# KiCad board PDNode_Baseboard.kicad_pcb (continued)
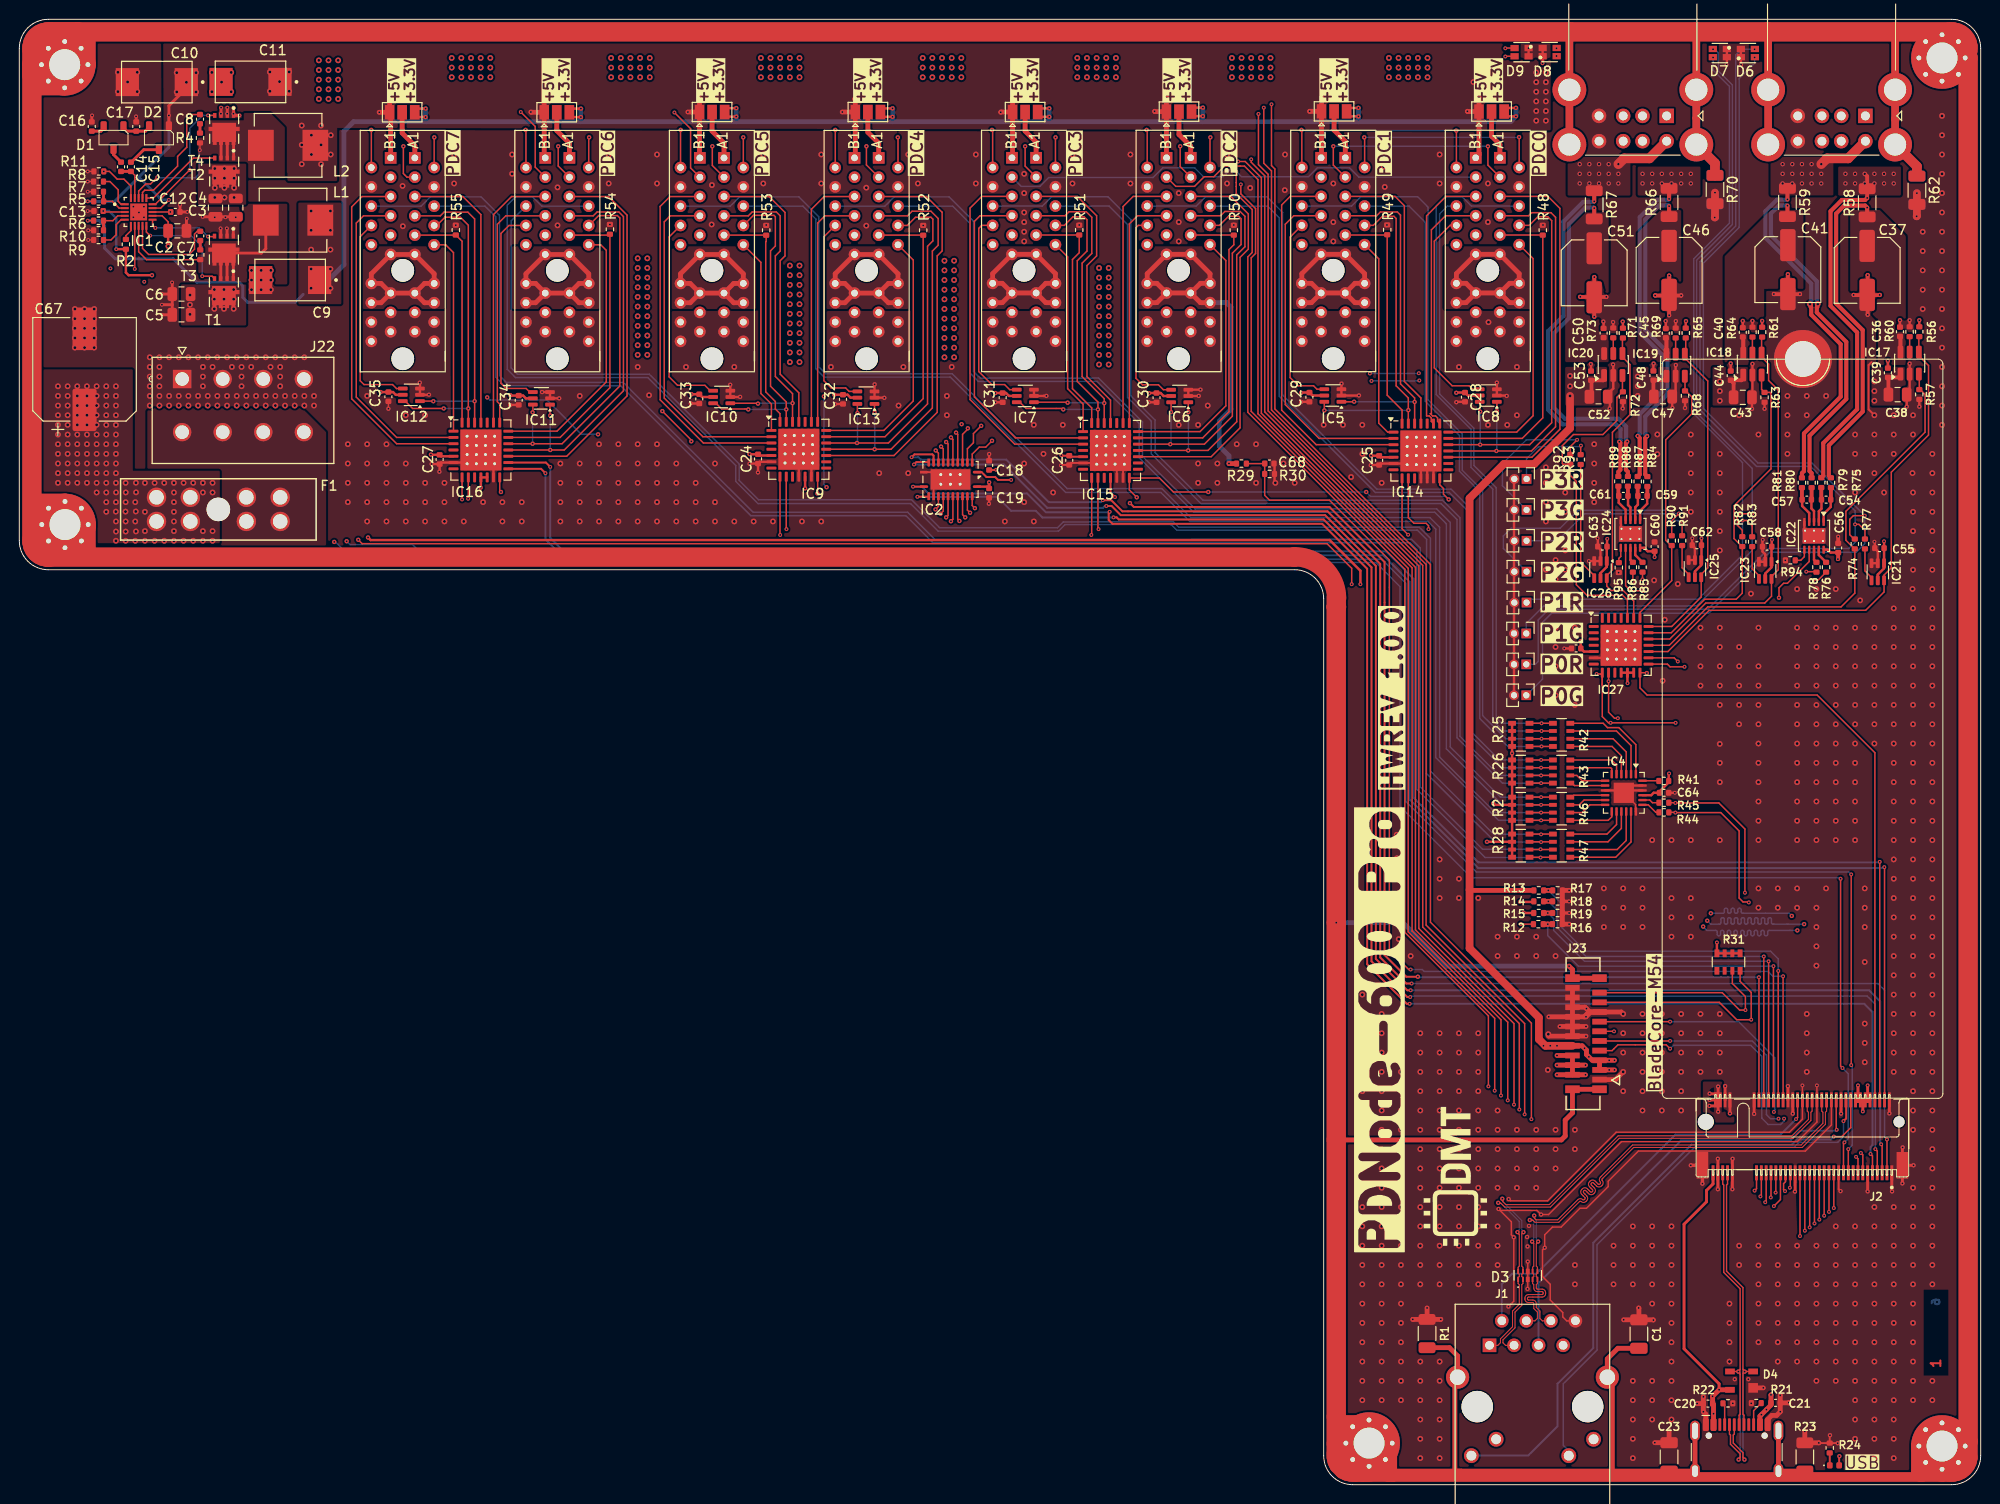
[diagram p0: board, top side]
## Routing (per net, layer and track width the routed paths; a pad name or vN(x,y) marks a point on that pad's centre or on a via; arc(x,y) is an arc through that point) (continued)
Net-(D9-A1): length 61.2
  F.Cu (SIG) w0.149: v3(153.8,148.75) 153.82,148.77 D9.4 ; v3(161.23,108.2) 160.52,107.5 R92.2
  In2.Cu (SIG) w0.149: v3(161.23,108.2) 161.23,108.47 158.65,111.05 158.65,133.55 156.5,135.7 156.5,139.55 155.25,140.8 154.85,140.8 154.28,141.37 154.28,148.27 v3(153.8,148.75)
  B.Cu (SIG) w0.149: v3(161.23,108.2) 155.98,108.2 153.5,105.72 153.5,103.45 J20.1
Net-(D9-A2): length 54.3
  F.Cu (SIG) w0.149: R93.2 161.6,107.58 v3(161.62,107.6) ; v3(153.8,147.9) 153.82,147.92 D9.3
  In2.Cu (SIG) w0.149: v3(153.8,147.9) 153.8,141.4 154.75,140.45 155.1,140.45 156.2,139.35 156.2,135.55 158.3,133.45 158.3,110.95 160.55,108.7 160.55,108.1 161.05,107.6 v3(161.62,107.6)
  B.Cu (SIG) w0.149: J21.1 156,106.25 157.25,107.5 161.52,107.5 v3(161.62,107.6)
Net-(IC1-VBST1): length 12.1
  F.Cu (SIG) w0.15: IC1.17 12.75,133.82 12.98,134.05 13.88,134.05 16.38,136.55 16.38,137.55 17.33,138.5 17.33,141.3 17.92,141.89 C8.1
Net-(IC1-VBST2): length 10.5
  F.Cu (SIG) w0.149: IC1.9 12.75,128.03 13.38,127.4 17.58,127.4 18.13,127.95 18.13,129.51 18.42,129.8 C7.1
Net-(IC4-SCL0): length 9.9
  F.Cu (SIG) w0.149: R42.7 165.3,78.05 166.81,76.54 IC4.2
Net-(IC4-SCL1): length 7.6
  F.Cu (SIG) w0.149: IC4.4 165.81,75.49 164.85,76.45 R42.5
Net-(IC4-SCL2): length 4.9
  F.Cu (SIG) w0.149: R43.7 164.7,74.25 164.81,74.14 IC4.6
Net-(IC4-SCL3): length 3.7
  F.Cu (SIG) w0.149: IC4.8 160.95,72.4 160.7,72.65 R43.5
Net-(IC4-SCL4): length 3.8
  F.Cu (SIG) w0.149: R46.7 161.45,70.4 161.95,70.9 IC4.11
Net-(IC4-SCL5): length 5
  F.Cu (SIG) w0.149: IC4.13 164.81,69.16 164.45,68.8 R46.5
Net-(IC4-SCL6): length 7.6
  F.Cu (SIG) w0.149: IC4.15 165.81,67.96 164.43,66.58 R47.7
Net-(IC4-SCL7): length 10.1
  F.Cu (SIG) w0.149: R47.5 165.23,64.97 166.81,66.56 IC4.17
Net-(IC4-SDA0): length 10.8
  F.Cu (SIG) w0.149: IC4.1 167.31,76.64 165.55,78.4 164.38,78.4 163.93,78.85 R42.8
Net-(IC4-SDA1): length 8.7
  F.Cu (SIG) w0.149: R42.6 164.95,77.25 166.31,75.89 IC4.3
Net-(IC4-SDA2): length 5.9
  F.Cu (SIG) w0.149: IC4.5 165.31,74.54 164.8,75.05 R43.8
Net-(IC4-SDA3): length 3.8
  F.Cu (SIG) w0.149: IC4.7 161.75,72.9 161.2,73.45 R43.6
Net-(IC4-SDA4): length 3.7
  F.Cu (SIG) w0.149: IC4.10 160.9,71.4 160.7,71.2 R46.8
Net-(IC4-SDA5): length 3.9
  F.Cu (SIG) w0.149: R46.6 161.75,69.6 162.55,70.4 IC4.12
Net-(IC4-SDA6): length 6.5
  F.Cu (SIG) w0.149: R47.8 164.32,67.38 165.31,68.36 IC4.14
Net-(IC4-SDA7): length 9.2
  F.Cu (SIG) w0.149: R47.6 165.38,65.78 166.31,66.71 IC4.16
Net-(IC17-ILIM): length 1.6
  F.Cu (SIG) w0.149: IC17.5 R60.1
Net-(IC18-ILIM): length 1.7
  F.Cu (SIG) w0.149: R64.1 179.37,118.84 IC18.5
Net-(IC19-ILIM): length 1.7
  F.Cu (SIG) w0.149: R69.1 171.43,118.75 IC19.5
Net-(IC20-ILIM): length 1.6
  F.Cu (SIG) w0.149: IC20.5 R73.1
Net-(IC21-Y): length 3.5
  F.Cu (SIG) w0.149: IC21.4 191.7,93.95 191.02,94.63 R77.1
Net-(IC22-ADDR_SEL): length 1.8
  F.Cu (SIG) w0.149: IC22.6 184.75,96.1 184.38,95.72 R94.2
Net-(IC22-SENSE1+): length 3.9
  F.Cu (SIG) w0.25: IC22.1 186.75,100.53 187.48,101.25 C54.1
  F.Cu (SIG) w0.4: R75.1 187.5,102.03 C54.1
Net-(IC22-SENSE1-): length 3.7
  F.Cu (SIG) w0.25: C54.2 186.52,101.07 186.25,100.8 IC22.2
  F.Cu (SIG) w0.4: R79.1 186.5,102.03 C54.2
Net-(IC22-SENSE2+): length 3.7
  F.Cu (SIG) w0.25: IC22.3 185.75,100.83 185.48,101.09 C57.1
  F.Cu (SIG) w0.4: R80.1 185.5,102.03 C57.1
Net-(IC22-SENSE2-): length 3.9
  F.Cu (SIG) w0.25: IC22.4 185.25,100.62 184.52,101.36 C57.2
  F.Cu (SIG) w0.4: R81.1 184.5,102.03 C57.2
Net-(IC23-Y): length 3.6
  F.Cu (SIG) w0.149: R83.1 179.35,94.85 180,94.2 180,93.85 IC23.4
Net-(IC24-ADDR_SEL): length 1.6
  F.Cu (SIG) w0.149: IC24.6 165.75,96.12 165.55,95.92 R95.2
Net-(IC24-SENSE1+): length 3.8
  F.Cu (SIG) w0.25: IC24.1 167.75,100.85 168.48,101.58 C59.1
  F.Cu (SIG) w0.4: R84.1 168.5,102.42 C59.1
Net-(IC24-SENSE1-): length 3.6
  F.Cu (SIG) w0.25: C59.2 167.52,101.5 167.25,101.22 IC24.2
  F.Cu (SIG) w0.4: C59.2 167.5,102.42 R87.1
Net-(IC24-SENSE2+): length 3.6
  F.Cu (SIG) w0.25: C61.1 166.5,101.45 166.75,101.2 IC24.3
  F.Cu (SIG) w0.4: C61.1 166.49,102.41 R88.1
Net-(IC24-SENSE2-): length 3.8
  F.Cu (SIG) w0.25: IC24.4 166.25,100.97 165.54,101.69 C61.2
  F.Cu (SIG) w0.4: R89.1 165.5,102.44 C61.2
Net-(IC25-Y): length 3.6
  F.Cu (SIG) w0.149: R91.1 172.1,94.95 172.77,94.28 IC25.4
Net-(IC26-Y): length 12.4
  F.Cu (SIG) w0.149: R93.1 161.6,95.55 163,94.15 IC26.4
Net-(J3-CC1): length 2.3
  F.Cu (SIG) w0.149: J3.A5 176.5,8.25 R22.1
Net-(J3-CC2): length 2.6
  F.Cu (SIG) w0.149: R21.1 179.5,7.66 J3.B5
Net-(JP1-C): length 5.1
  F.Cu (SIG) w0.5: J4.A1 153.24,138.79 152.38,139.65 JP1.2
Net-(JP2-C): length 5.3
  F.Cu (SIG) w0.5: J5.A1 137.24,139.11 136.07,140.28 JP2.2
Net-(JP3-C): length 5.3
  F.Cu (SIG) w0.5: JP3.2 120.02,139.82 121.24,138.61 J6.A1
Net-(JP4-C): length 5.2
  F.Cu (SIG) w0.5: JP4.2 104.1,140.18 105.24,139.04 J7.A1
Net-(JP5-C): length 5.2
  F.Cu (SIG) w0.5: J8.A1 88.94,138.93 87.82,140.05 JP5.2
Net-(JP6-C): length 5.3
  F.Cu (SIG) w0.5: JP6.2 71.7,140.18 72.93,138.94 J9.A1
Net-(JP7-C): length 5.3
  F.Cu (SIG) w0.5: JP7.2 55.62,140.22 56.93,138.92 J10.A1
Net-(JP8-C): length 5.3
  F.Cu (SIG) w0.5: JP8.2 39.62,139.97 40.93,138.67 J11.A1

## Copper pours and planes (outline as drawn; the poured copper is in the pictures)
+3.3V on F.Cu (SIG), B.Cu (SIG): 28.88,132.77 28.88,122.25 33.33,122.25 33.33,132.77
+3.3V on In3.Cu (PWR): 27,126.95 27,111.5 29.25,111.5 31.75,109 31.75,94.5 135,94.75 135,-0.25 205,-0.25 205,152.75 158,152.75 158,113.75 32.9,113.75 32.9,126.95
+5V on F.Cu (SIG): 160,111.75 160,115.75 164.33,115.75 164.33,111.75
+5V on F.Cu (SIG): 167,111.75 167,115.75 170.75,115.75 170.75,111.75
+5V on F.Cu (SIG): 32.9,140.5 32.9,135 27.75,135 27.75,135.82 26.07,137.5 14.95,137.5 14.88,149.25 158.5,149.25 158.5,140.25
+5V on F.Cu (SIG): 175.25,111.75 175.25,115.75 179,115.75 179,111.75
+5V on F.Cu (SIG): 191.65,111.75 191.65,115.75 195.25,115.75 195.25,111.75
+5V on In3.Cu (PWR): 157,45.95 165.5,45.95 165.5,41.95 162.75,41.95 162.75,43.32 162.7,43.65 161.65,44.7 157,44.7
+24V on F.Cu (SIG): 83,121.75 83,128.25 92,128.25 92,121.75
+24V on F.Cu (SIG): 18.48,136.8 18.48,132.55 23.48,132.55 23.48,136.8
+24V on F.Cu (SIG): 115.5,121.75 115.5,128.25 124.5,128.25 124.5,121.75
+24V on F.Cu (SIG): 99.5,121.75 99.5,128.25 108.5,128.25 108.5,121.75
+24V on F.Cu (SIG): 35,121.75 35,128.25 44,128.25 44,121.75
+24V on F.Cu (SIG): 16.73,124.3 16.73,120.05 23.48,120.05 23.48,124.3
+24V on F.Cu (SIG): 67.25,121.75 67.25,128.25 76.25,128.25 76.25,121.75
+24V on F.Cu (SIG): 131.75,121.75 131.75,128.25 140.75,128.25 140.75,121.75
+24V on F.Cu (SIG): 147.5,121.75 147.5,128.25 156.5,128.25 156.5,121.75
+24V on F.Cu (SIG): 51,121.75 51,128.25 60,128.25 60,121.75
+24V on F.Cu (SIG), B.Cu (SIG), In2.Cu (SIG), In3.Cu (PWR): 11.75,115.5 11.75,105 20.75,105 20.75,97.5 2.25,97.5 2.25,115.5
+24V on B.Cu (SIG), In3.Cu (PWR): 27,127 27,111.5 13.25,111.5 13.25,105 20.75,105 20.75,94.75 -1,94.75 -1,152.75 158,152.75 158,113.75 32.9,113.75 33,127
+24V_IN on F.Cu (SIG), B.Cu (SIG), In2.Cu (SIG), In3.Cu (PWR): 29.25,111.5 31.75,109 31.75,94.5 20.75,94.5 20.75,105 13.25,105 13.25,111.5
GND on F.Cu (SIG), B.Cu (SIG), In2.Cu (SIG): -6,160.75 209,160.75 209,-9.25 -6,-9.25
GND on In1.Cu (GND), In4.Cu (GND): 208,-0.25 208,156.75 -11,156.75 -11,92.75 132,92.75 132,-0.25
VBUS on F.Cu (SIG): 177.5,41.75 177.5,37.5 174.25,37.5 174.25,41.75
VBUS on In3.Cu (PWR): 174.25,41.75 174.25,29.75 172,27.5 172,9 173.5,7.5 173.5,1.5 189.75,1.5 189.75,10.25 177,10.25 175.25,12 175.25,26.75 177.5,28.55 177.5,41.75
/Project Architecture/System Power/SW1 on F.Cu (SIG): 23.48,136.8 23.48,135.3 27.48,135.3 27.48,140.55 25.98,142.05 23.23,142.05 23.23,141.3 18.48,141.3 18.48,136.8
/Project Architecture/System Power/SW2 on F.Cu (SIG): 18.52,124.3 27.73,124.3 27.73,132.65 22.98,132.65 22.98,128.8 18.52,128.8
PORTA0_N on F.Cu (SIG), In3.Cu (PWR): 188.25,133.5 188.25,136.5 194.75,136.5 194.75,133.5
PORTA0_P on F.Cu (SIG): 192.38,115.75 195.25,115.75 195.25,129.31 192.56,132 189.5,132 189.5,123.5 192.25,120.75 192.38,120.74
PORTA1_N on F.Cu (SIG), In3.Cu (PWR): 181.25,133.51 181.25,137.51 187.75,137.51 187.75,133.51
PORTA1_P on F.Cu (SIG): 180.58,115.92 180.59,123.83 184.65,123.84 184.65,132 181.29,132 176.5,127.21 176.5,115.92
PORTA2_N on F.Cu (SIG), In3.Cu (PWR): 167.5,133.5 167.5,136.5 174,136.5 174,133.5
PORTA2_P on F.Cu (SIG): 172,116.25 172,132 169.88,132 167.5,129.62 167.5,116.25
PORTA3_N on F.Cu (SIG), In3.Cu (PWR): 160.25,133.5 160.25,137.5 166.75,137.5 166.75,133.5
PORTA3_P on F.Cu (SIG): 164.5,116.25 164.5,131.75 162.12,131.75 160,129.62 160,116.25

## Text on the board
B.Cu (SIG): Bottom Layer
B.Silkscreen: HWREV 1.0.0 | PDNode-600 Pro | Bottom Silk
User.Drawings: 4015 FAN 12V
F.Cu (SIG): Top Layer
F.Silkscreen: +5V / +3.3V | USB | PDC7 | PDC6 | PDC5 | PDC4 | PDC3 | PDC2 | PDC1 | PDC0 | BladeCore-M54 | P3R | P1R | P1G | P0R | P0G | P3G | P2R | P2G | HWREV 1.0.0 | PDNode-600 Pro | Top Silk
In1.Cu (GND): 2nd Layer
In2.Cu (SIG): 3rd Layer
In3.Cu (PWR): 4th Layer
In4.Cu (GND): 5th Layer
User.2: PTH Drill
User.3: NPTH Drill
User.4: BOARD PARAMETERS / ---------------------------------------- / Layers: 6 / Board Size: 203.00 mm x 151.75 mm / PCB Thickness: 1.6 mm / Base Material: FR-4 / Material Type: FR4 TG135 / Stackup Code: JLC06161H-3313 / Impedance Control: No requirement / Appearance Standard: IPC Class 2 / Board Outline Tolerance: ±0.2 mm / COPPER & FINISH / ---------------------------------------- / Outer Copper Weight: 1 oz / Inner Copper Weight: 0.5 oz / Surface Finish: ENIG / Gold Thickness: 1 U{dblquote} / Gold Fingers: No / SOLDER MASK & SILK / ---------------------------------------- / PCB Color: Green / Silkscreen Color: White / Via Covering: Epoxy Filled & Capped / DRILLING & SPECIAL PROCESSES / ---------------------------------------- / Min Via Hole: 0.2 mm / Via Pad / Finished Diameter: 0.4 mm / Castellated Holes: No / Edge Plating: No / Blind Slot: No / Press-Fit Hole: No / Countersink Hole: No / Backdrill: No / QUALITY & TEST / ---------------------------------------- / Electrical Test: Flying Probe Fully Test / LAYER STACKUP / -------------------------------------------------------------------- / Name                 | Type        | Material                  | Thickness mm | Er   | LossTg / -------------------------------------------------------------------------------------------- / F.Silkscreen         | Top Silk    | Direct Printing White     | -            | -    | - / F.Paste              | Paste       | -                         | -            | -    | - / F.Mask               | Solder Mask | Solder Resist Green       | 0.01         | 3.8  | 0 / F.Cu                 | Copper      | -                         | 0.035        | -    | - / Dielectric 1         | Prepreg     | 3313 RC57% 4.2mil         | 0.0994       | 4.1  | 0.02 / In1.Cu               | Copper      | -                         | 0.0152       | -    | - / Dielectric 2         | Core        | 0.55mm H/H without copper | 0.55         | 4.41 | 0.02 / In2.Cu               | Copper      | -                         | 0.0152       | -    | - / Dielectric 3         | Prepreg     | 2116 RC54% 4.9mil         | 0.1088       | 4.16 | 0.02 / In3.Cu               | Copper      | -                         | 0.0152       | -    | - / Dielectric 4         | Core        | 0.55mm H/H without copper | 0.55         | 4.41 | 0.02 / In4.Cu               | Copper      | -                         | 0.0152       | -    | - / Dielectric 5         | Prepreg     | 3313 RC57% 4.2mil         | 0.0994       | 4.1  | 0.02 / B.Cu                 | Copper      | -                         | 0.035        | -    | - / B.Mask               | Solder Mask | Solder Resist Green       | 0.01         | 3.8  | 0 / B.Paste              | Paste       | -                         | -            | -    | - / B.Silkscreen         | Bottom Silk | Direct Printing White     | -            | -    | - | PCB FABRICATION SPECIFICATION | PTH DRILLMAP | NPTH DRILLMAP | PDNode-600 Baseboard | 10 | 1 | 2 | 3 | 4 | 5 | 6 | 7 | 8 | 9
